# KiCad board Breakout_1999_Dodge_Dakota.kicad_pcb (continued)
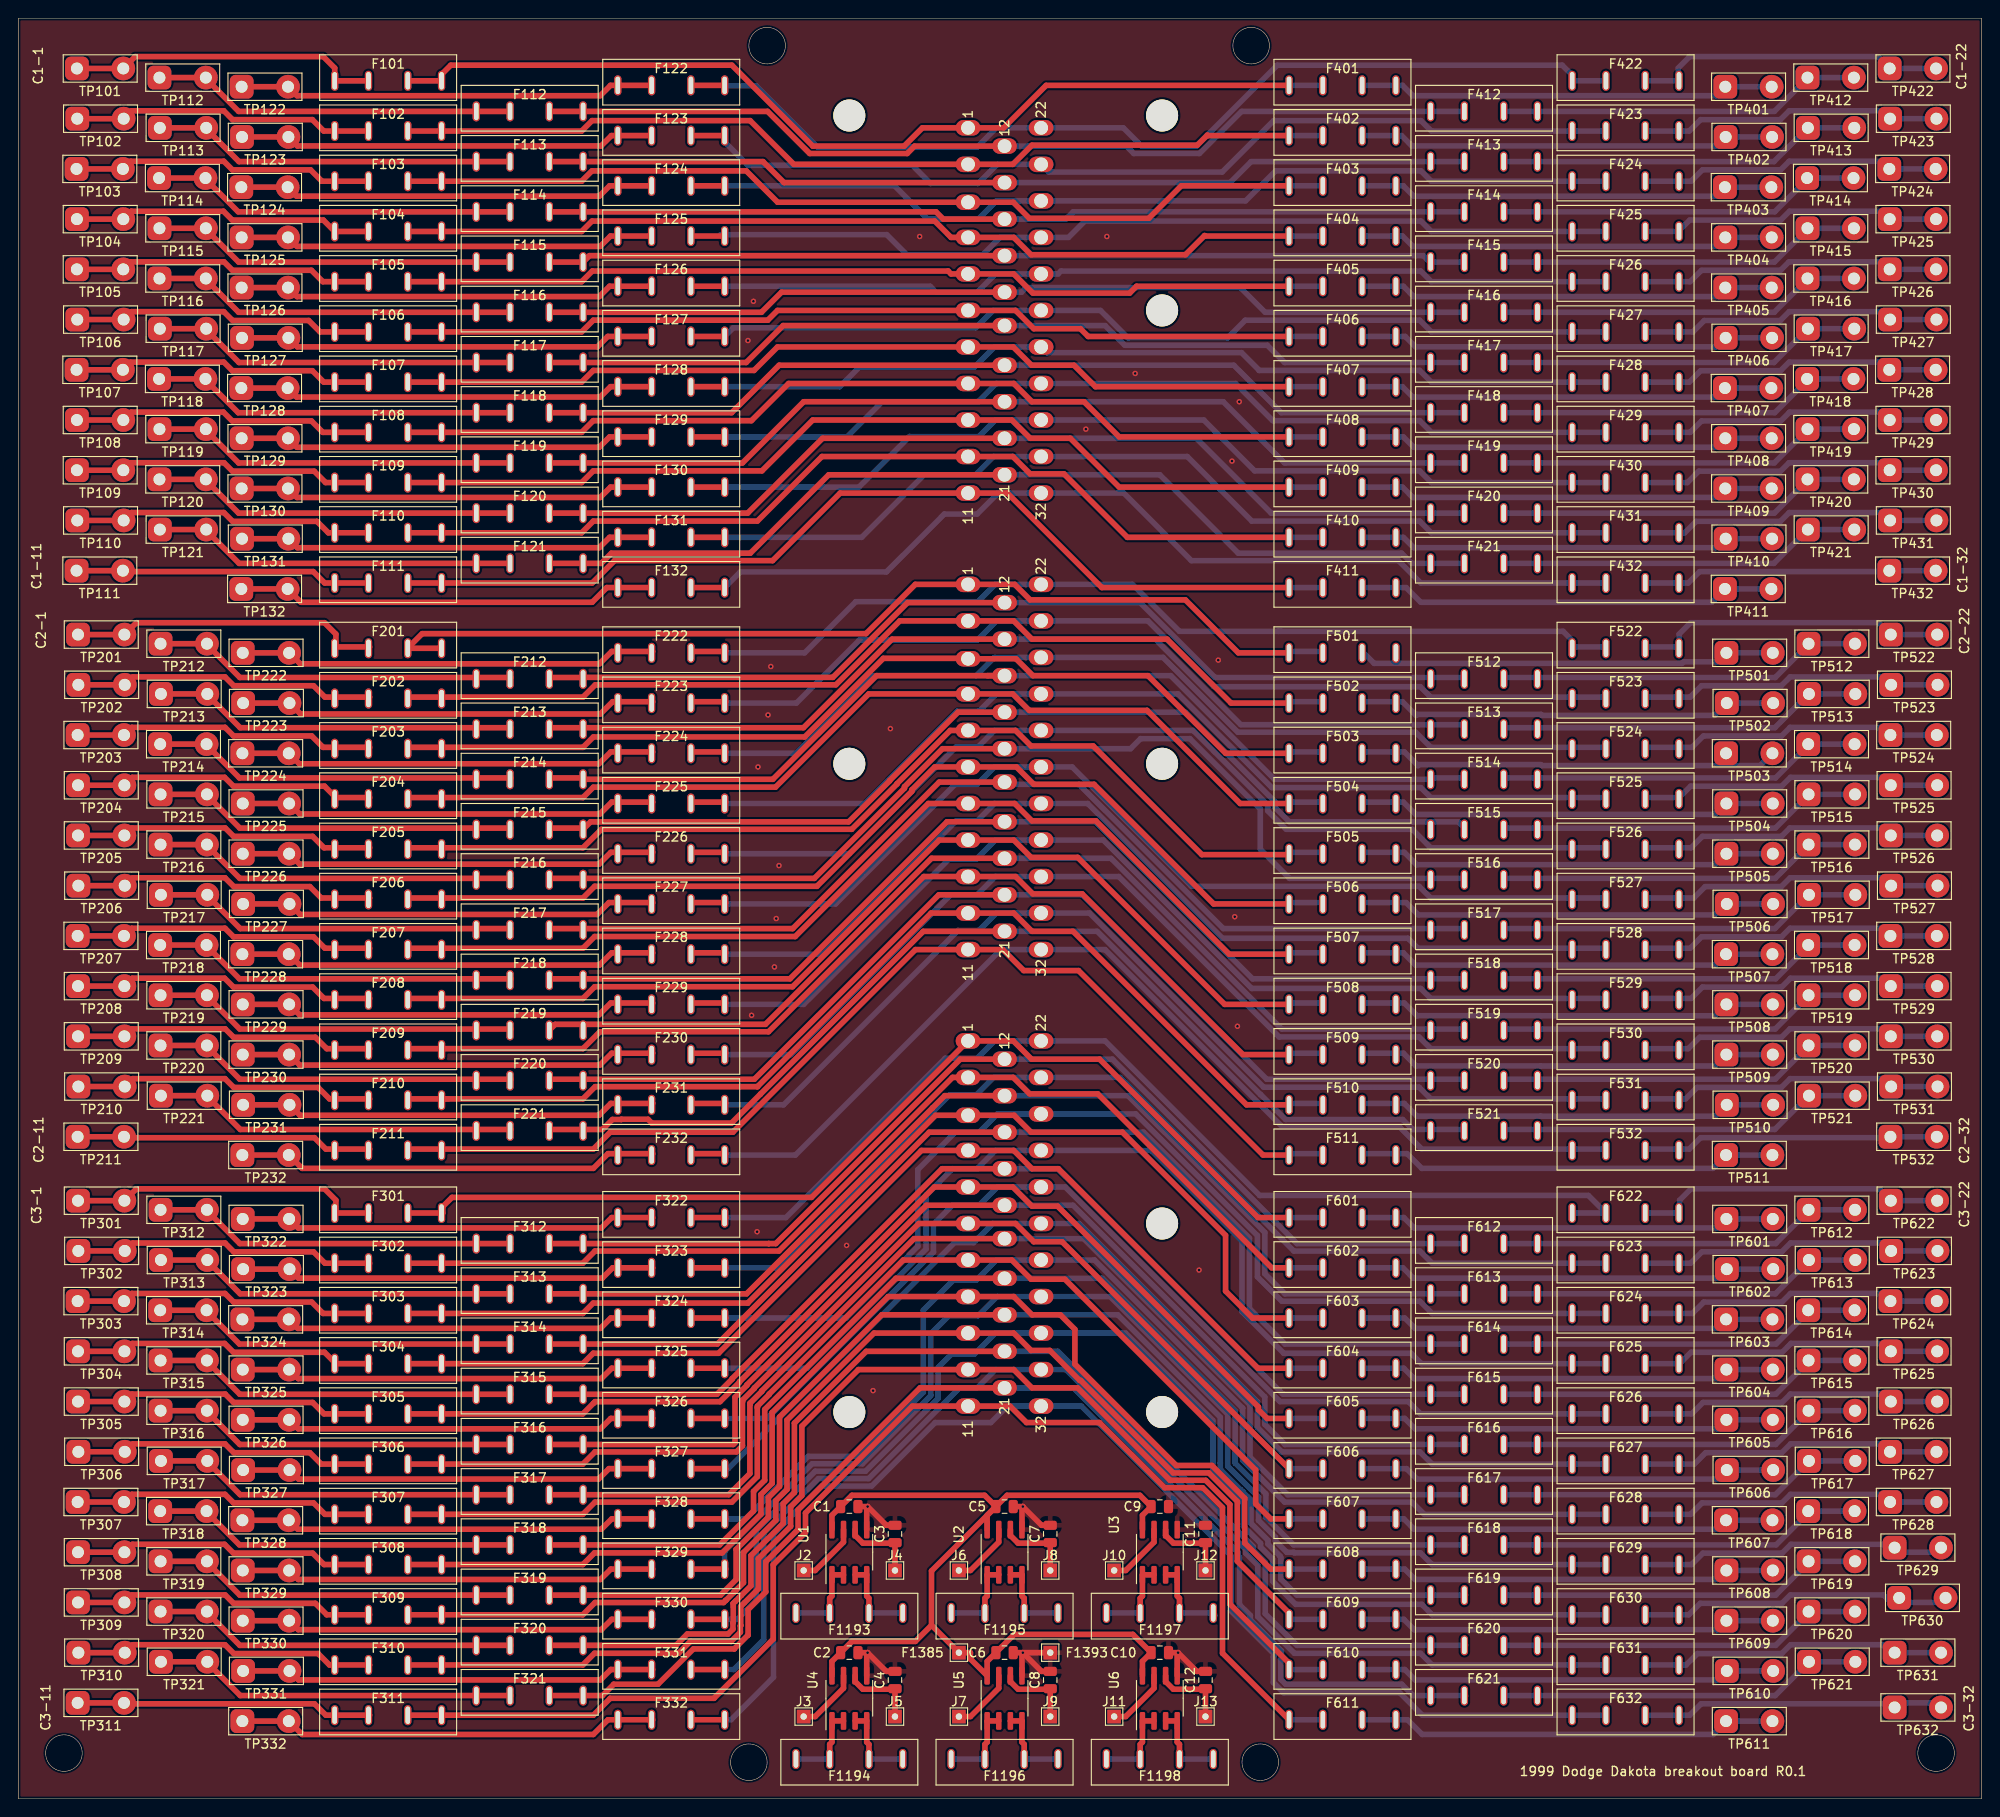
[diagram p0: board, top side]
## Routing (per net, layer and track width the routed paths; a pad name or vN(x,y) marks a point on that pad's centre or on a via; arc(x,y) is an arc through that point) (continued)
  Bottom w0.61: 158.42,60.8 F612.1 F612.1 140.02,60.8 119.82,81 J1.c3-12
Net-(F313-Pad1): length 39.9
  Top w0.61: 15.63,59 TP313.2 20.71,59 20.71,58.89 24.3,55.3 F313.1 F313.1 53.98,55.3
Net-(F313-Pad2): length 120.8
  Top w0.61: 58.28,55.3 F313.2 79.75,55.3 100.11,75.66 101.45,77 J1.c3-13
  Bottom w0.61: J1.c3-13 121.52,77 136.5,62.02 136.5,57.5 138.7,55.3 F613.1 F613.1 158.42,55.3
Net-(F314-Pad1): length 40
  Top w0.61: 15.55,53.5 TP314.2 20.63,53.5 20.63,53.39 24.22,49.8 F314.1 F314.1 53.98,49.8
Net-(F314-Pad2): length 123.8
  Top w0.61: J1.c3-14 99.75,73 76.55,49.8 F314.2 58.28,49.8
  Bottom w0.61: J1.c3-14 123.22,73 134.81,61.41 134.81,53.69 138.7,49.8 F614.1 ; 154.72,49.8 F614.1 158.42,49.8
Net-(F315-Pad1): length 40
  Top w0.61: 53.98,44.3 F315.1 F315.1 24.26,44.3 20.67,47.89 20.67,48 TP315.2 15.59,48
Net-(F315-Pad2): length 120.6
  Top w0.61: 58.28,44.3 F315.2 76.51,44.3 78.16,45.95 78.16,46 101.16,69 J1.c3-15
  Bottom w0.61: 158.42,44.3 F615.1 158.34,44.31 138.49,44.31 113.8,69 J1.c3-15
Net-(F316-Pad1): length 40
  Top w0.61: 15.59,42.5 TP316.2 20.67,42.5 20.67,42.39 24.26,38.8 F316.1 F316.1 53.98,38.8
Net-(F316-Pad2): length 126.6
  Top w0.61: 58.28,38.8 F316.2 78.3,38.8 78.49,38.99 78.49,43.98 79.79,45.28 79.79,45.33 99.46,65 J1.c3-16
  Bottom w0.61: J1.c3-16 115.5,65 136.5,44 136.5,41 138.7,38.8 F616.1 F616.1 158.5,38.8
Net-(F317-Pad1): length 39.9
  Top w0.61: 15.63,37 TP317.2 20.71,37 20.71,36.89 24.3,33.3 F317.1 F317.1 53.98,33.3
Net-(F317-Pad2): length 131.3
  Top w0.61: 58.28,33.3 F317.2 77.8,33.3 80.11,35.61 80.11,43.16 80.12,43.17 80.12,43.32 81.41,44.61 81.41,44.66 98.1,61.34 J1.c3-17
  Bottom w0.61: 158.5,33.3 F617.1 F617.1 139,33.3 134.87,37.43 134.87,43.12 116.65,61.34 J1.c3-17
Net-(F318-Pad1): length 40
  Top w0.61: 15.55,31.5 TP318.2 20.63,31.5 20.63,31.39 24.22,27.8 F318.1 F318.1 53.98,27.8
Net-(F318-Pad2): length 135
  Top w0.61: J1.c3-18 96.1,57 81.74,42.63 81.74,34.88 80.51,33.66 80.51,31.52 76.8,27.8 F318.2 58.28,27.8
  Bottom w0.61: 158.5,27.8 F618.1 F618.1 139.65,27.8 136.62,30.83 136.62,33.38 133.25,36.75 133.25,42.45 118.7,57 J1.c3-18
Net-(F319-Pad1): length 40
  Top w0.61: 53.98,22.3 F319.1 F319.1 24.26,22.3 20.67,25.89 20.67,26 TP319.2 15.59,26
Net-(F319-Pad2): length 139.8
  Top w0.61: 58.28,22.3 F319.2 76.9,22.3 78.6,24 78.6,27.31 82.14,30.84 82.14,32.98 83.36,34.21 83.36,41.81 94.55,53 J1.c3-19
  Bottom w0.61: 158.5,22.3 F619.1 F619.1 140.02,22.3 138.24,24.07 138.24,26.23 138.24,26.46 138.16,26.54 138.16,26.58 136.85,27.9 136.85,28.3 134.99,30.16 134.99,32.71 134.11,33.59 131.62,36.08 131.62,36.75 131.62,36.75 131.62,41.78 120.4,53 J1.c3-19
Net-(F320-Pad1): length 40
  Top w0.61: 53.98,16.8 F320.1 F320.1 24.26,16.8 20.67,20.39 20.67,20.5 TP320.2 15.59,20.5
Net-(F320-Pad2): length 139.7
  Top w0.61: J1.c3-20 92.85,49 84.99,41.14 84.99,33.54 83.76,32.31 83.76,30.17 80.22,26.63 80.22,23.33 79.17,22.28 78.53,21.63 78.29,21.39 78.29,19.31 78.26,19.28 78.26,18.57 77.73,18.04 73.26,18.04 72.02,16.8 F320.2 58.28,16.8
  Bottom w0.61: J1.c3-20 113.85,49 135.22,27.63 135.22,27.23 136.54,25.91 136.54,20.28 140.02,16.8 F620.1 F620.1 158.5,16.8
Net-(F321-Pad1): length 39.9
  Top w0.61: 15.63,15 TP321.2 20.71,15 20.71,14.9 24.31,11.3 F321.1 F321.1 53.98,11.3
Net-(F321-Pad2): length 138.4
  Top w0.61: 58.28,11.3 F321.2 63.97,11.3 65.21,12.54 70.06,12.54 73.93,16.42 78.4,16.42 79.92,17.94 79.92,20.72 81.85,22.65 81.85,25.96 85.39,29.49 85.39,31.64 98.75,45 J1.c3-21
  Bottom w0.61: J1.c3-21 115.55,45 133.59,26.95 133.59,26.55 133.72,26.43 133.72,21.26 134.91,20.07 134.91,19.6 138.31,16.2 138.31,15.3 138.24,15.23 138.24,13.07 138.77,12.54 151.49,12.54 152.73,11.3 F621.1 F621.1 158.5,11.3
Net-(F322-Pad1): length 45.8
  Top w0.61: 24.59,63.5 TP322.2 29.67,63.5 30.65,62.52 63.85,62.52 64.98,63.65 F322.1 F322.1 69.48,63.65
Net-(F322-Pad2): length 119.8
  Top w0.61: 73.78,63.65 F322.2 77.48,63.65
  Bottom w0.61: 173.92,64.15 F622.1 ; F622.1 F622.1 ; F622.1 171.93,66.07 135.93,66.07 119,83 J1.c3-22 106.9,83 105,81.1 101.5,81.1 84.05,63.65 F322.2
Net-(F323-Pad1): length 45.7
  Top w0.61: 69.48,58.15 F323.1 F323.1 65.08,58.15 63.95,57.02 30.69,57.02 29.71,58 TP323.2 24.63,58
Net-(F323-Pad2): length 117.3
  Top w0.61: 73.78,58.15 F323.2 77.48,58.15
  Bottom w0.61: F323.2 83.05,58.15 102,77.1 104.9,77.1 106.8,79 J1.c3-23 120.67,79 139.68,59.99 153.48,59.99 154.82,58.65 F623.1 F623.1 173.92,58.65
Net-(F324-Pad1): length 45.8
  Top w0.61: 69.48,52.65 F324.1 F324.1 64.88,52.65 63.75,51.52 30.61,51.52 29.63,52.5 TP324.2 24.55,52.5
Net-(F324-Pad2): length 126.1
  Top w0.61: 73.78,52.65 F324.2 77.48,52.65
  Bottom w0.61: F324.2 90.65,52.65 98.5,60.5 98.5,68.9 102.6,73 105.2,73 107.2,75 J1.c3-24 122.37,75 135.69,61.68 135.69,57.16 138.36,54.49 153.48,54.49 154.82,53.15 F624.1 F624.1 173.92,53.15
Net-(F325-Pad1): length 45.8
  Top w0.61: 69.48,47.15 F325.1 F325.1 64.98,47.15 63.85,46.02 30.65,46.02 29.67,47 TP325.2 24.59,47
Net-(F325-Pad2): length 127.7
  Top w0.61: 73.78,47.15 F325.2
  Bottom w0.61: F325.2 86.35,47.15 99.4,60.2 99.4,66.1 102.3,69 105,69 107,71 J1.c3-25 124.07,71 134,61.07 134,53.35 138.56,48.79 152.51,48.79 153.65,47.65 F625.1 F625.1 174,47.65
Net-(F326-Pad1): length 45.8
  Top w0.61: 69.48,41.65 F326.1 F326.1 64.88,41.65 63.75,40.52 30.65,40.52 29.67,41.5 TP326.2 24.59,41.5
Net-(F326-Pad2): length 122.9
  Top w0.61: 73.78,41.65 F326.2 77.48,41.65
  Bottom w0.61: F326.2 82,41.65 100.21,59.86 100.21,62.91 102.3,65 105.2,65 107.2,67 J1.c3-26 114.65,67 138.15,43.5 152.2,43.5 153.55,42.15 F626.1 F626.1 174,42.15
Net-(F327-Pad1): length 45.7
  Top w0.61: 69.48,36.15 F327.1 F327.1 64.68,36.15 63.55,35.02 30.69,35.02 29.71,36 TP327.2 24.63,36
Net-(F327-Pad2): length 123.9
  Top w0.61: 73.78,36.15 F327.2 77.48,36.15
  Bottom w0.61: 173.92,36.65 F627.1 F627.1 154.82,36.65 153.48,37.99 138.36,37.99 135.69,40.66 135.69,43.46 135.69,43.46 116.15,63 J1.c3-27 106.7,63 104.6,60.9 102.5,60.9 77.75,36.15 F327.2
Net-(F328-Pad1): length 45.8
  Top w0.61: 24.55,30.5 TP328.2 29.63,30.5 30.61,29.52 63.85,29.52 64.98,30.65 F328.1 F328.1 69.48,30.65
Net-(F328-Pad2): length 132.2
  Top w0.61: 77.48,30.65 F328.2 73.78,30.65
  Bottom w0.61: F328.2 79.65,30.65 86.5,37.5 92.1,37.5 99.1,44.5 99.1,53.5 102.4,56.8 104.9,56.8 107.1,59 J1.c3-28 117.85,59 134.06,42.79 134.06,37.09 136.08,35.08 137.43,33.72 137.43,33.72 138.66,32.49 152.61,32.49 153.95,31.15 F628.1 F628.1 173.92,31.15
Net-(F329-Pad1): length 45.8
  Top w0.61: 69.48,25.15 F329.1 F329.1 64.88,25.15 63.75,24.02 30.65,24.02 29.67,25 TP329.2 24.59,25
Net-(F329-Pad2): length 135
  Top w0.61: 73.78,25.15 F329.2 77.48,25.15
  Bottom w0.61: 173.92,25.65 F629.1 F629.1 154.82,25.65 153.54,26.93 139.74,26.93 139.68,26.99 138.91,26.99 137.66,28.24 137.66,28.64 135.8,30.49 135.8,33.05 132.44,36.42 132.44,42.11 119.55,55 J1.c3-29 107.2,55 105.1,52.9 101.9,52.9 99.91,50.91 99.91,44.16 92.44,36.69 86.94,36.69 77.35,27.1 F329.2
Net-(F330-Pad1): length 45.8
  Top w0.61: 24.59,19.5 TP330.2 29.67,19.5 30.65,18.52 63.85,18.52 64.98,19.65 F330.1 F330.1 69.48,19.65
Net-(F330-Pad2): length 139
  Top w0.61: 73.78,19.65 F330.2 77.48,19.65
  Bottom w0.61: 173.92,20.15 F630.1 F630.1 154.82,20.15 153.67,21.29 139.88,21.29 137.35,23.82 137.35,26.25 136.03,27.56 136.03,27.96 134.18,29.82 134.18,30.09 134.18,30.09 134.18,32.37 133.3,33.25 131.29,35.27 130.81,35.74 130.81,36.42 130.81,41.44 121.25,51 J1.c3-30 107,51 104.7,48.7 102.2,48.7 100.73,47.23 100.73,43.82 92.78,35.87 87.27,35.87 80.81,29.41 80.81,21.71 78.75,19.65 F330.2
Net-(F331-Pad1): length 45.7
  Top w0.61: 24.63,14 TP331.2 29.71,14 30.69,13.02 63.75,13.02 64.88,14.15 F331.1 F331.1 69.48,14.15
Net-(F331-Pad2): length 137.6
  Top w0.61: 73.78,14.15 F331.2 77.48,14.15
  Bottom w0.61: F331.2 78.35,14.15 81.63,17.43 81.63,29.08 87.61,35.06 93.11,35.06 103.05,45 105,45 107,47 J1.c3-31 114.7,47 134.41,27.29 134.41,26.89 135.73,25.57 135.73,19.94 137.43,18.24 137.43,18.24 139.74,15.93 153.54,15.93 154.82,14.65 F631.1 F631.1 173.92,14.65
Net-(F332-Pad1): length 46.2
  Top w0.61: 24.55,8.5 TP332.2 29.63,8.5 31.09,7.04 62.97,7.04 64.58,8.65 F332.1 F332.1 69.48,8.65
Net-(F332-Pad2): length 143.3
  Top w0.61: 77.48,8.65 F332.2 F332.2
  Bottom w0.61: 173.92,9.15 F632.1 F632.1 153.73,9.15 151.28,11.6 138.57,11.6 137.43,12.74 137.43,15.56 137.5,15.63 137.5,15.87 132.78,20.59 132.78,26.62 116.4,43 J1.c3-32 108.3,43 106.5,41.2 100.4,41.2 93.45,34.25 87.95,34.25 82.7,29 82.7,13.3 78.05,8.65 F332.2
Net-(F401-Pad2): length 45.8
  Bottom w0.61: 147.07,187.65 F401.2 F401.2 151.57,187.65 152.7,186.52 185.9,186.52 186.88,187.5 TP401.1 191.96,187.5
Net-(F402-Pad2): length 45.7
  Bottom w0.61: 191.92,182 TP402.1 186.84,182 185.86,181.02 152.6,181.02 151.47,182.15 F402.2 F402.2 147.07,182.15
Net-(F403-Pad2): length 45.8
  Bottom w0.61: 147.07,176.65 F403.2 F403.2 151.67,176.65 152.8,175.52 185.94,175.52 186.92,176.5 TP403.2 192,176.5
Net-(F404-Pad2): length 45.8
  Bottom w0.61: 147.07,171.15 F404.2 F404.2 151.57,171.15 152.7,170.02 185.9,170.02 186.88,171 TP404.1 191.96,171
Net-(F405-Pad2): length 45.8
  Bottom w0.61: 147.07,165.65 F405.2 F405.2 151.67,165.65 152.8,164.52 185.9,164.52 186.88,165.5 TP405.1 191.96,165.5
Net-(F406-Pad2): length 45.7
  Bottom w0.61: 147.07,160.15 F406.2 F406.2 151.87,160.15 153,159.02 185.86,159.02 186.84,160 TP406.1 191.92,160
Net-(F407-Pad2): length 45.8
  Bottom w0.61: 192,154.5 TP407.2 186.92,154.5 185.94,153.52 152.7,153.52 151.57,154.65 F407.2 F407.2 147.07,154.65
Net-(F408-Pad2): length 45.8
  Bottom w0.61: 147.07,149.15 F408.2 F408.2 151.67,149.15 152.8,148.02 185.9,148.02 186.88,149 TP408.1 191.96,149
Net-(F409-Pad2): length 45.8
  Bottom w0.61: 191.96,143.5 TP409.1 186.88,143.5 185.9,142.52 152.7,142.52 151.57,143.65 F409.2 F409.2 147.07,143.65
Net-(F410-Pad2): length 45.7
  Bottom w0.61: 147.07,138.15 F410.2 F410.2 151.67,138.15 152.8,137.02 185.86,137.02 186.84,138 TP410.1 191.92,138
Net-(F411-Pad2): length 46.2
  Bottom w0.61: 147.07,132.65 F411.2 F411.2 151.97,132.65 153.58,131.04 185.46,131.04 186.92,132.5 TP411.2 192,132.5
Net-(F412-Pad2): length 40
  Bottom w0.61: 162.57,184.8 F412.2 F412.2 192.29,184.8 195.88,188.39 195.88,188.5 TP412.1 200.96,188.5
Net-(F413-Pad2): length 39.9
  Bottom w0.61: 200.92,183 TP413.1 195.84,183 195.84,182.89 192.25,179.3 F413.2 F413.2 162.57,179.3
Net-(F414-Pad2): length 40
  Bottom w0.61: 201,177.5 TP414.2 195.92,177.5 195.92,177.39 192.33,173.8 F414.2 F414.2 162.57,173.8
Net-(F415-Pad2): length 40
  Bottom w0.61: 162.57,168.3 F415.2 F415.2 192.29,168.3 195.88,171.89 195.88,172 TP415.1 200.96,172
Net-(F416-Pad2): length 40
  Bottom w0.61: 162.57,162.8 F416.2 F416.2 192.29,162.8 195.88,166.39 195.88,166.5 TP416.1 200.96,166.5
Net-(F417-Pad2): length 39.9
  Bottom w0.61: 200.92,161 TP417.1 195.84,161 195.84,160.89 192.25,157.3 F417.2 F417.2 162.57,157.3
Net-(F418-Pad2): length 40
  Bottom w0.61: 201,155.5 TP418.2 195.92,155.5 195.92,155.39 192.33,151.8 F418.2 F418.2 162.57,151.8
Net-(F419-Pad2): length 40
  Bottom w0.61: 200.96,150 TP419.1 195.88,150 195.88,149.89 192.29,146.3 F419.2 F419.2 162.57,146.3
Net-(F420-Pad2): length 40
  Bottom w0.61: 162.57,140.8 F420.2 F420.2 192.29,140.8 195.88,144.39 195.88,144.5 TP420.1 200.96,144.5
Net-(F421-Pad2): length 39.9
  Bottom w0.61: 200.92,139 TP421.1 195.84,139 195.84,138.9 192.24,135.3 F421.2 F421.2 162.57,135.3
Net-(F422-Pad2): length 34.4
  Bottom w0.61: TP422.2 TP422.1 203.62,190.8 183.02,190.8 181.77,189.55 181.77,188.15 F422.2 178.07,188.15
Net-(F423-Pad2): length 33.2
  Bottom w0.61: 178.07,182.65 F423.2 F423.2 182.97,182.65 184.22,183.9 192.95,183.9 193.92,184.87 204.01,184.87 204.88,184 TP423.1 209.96,184
Net-(F424-Pad2): length 33.2
  Bottom w0.61: 210.04,178.5 TP424.2 204.96,178.5 204.12,179.34 193.91,179.34 192.97,178.4 184.42,178.4 183.17,177.15 F424.2 F424.2 178.07,177.15
Net-(F425-Pad2): length 33.2
  Bottom w0.61: 178.07,171.65 F425.2 181.77,171.65 183.02,172.9 192.99,172.9 193.96,173.87 204.06,173.87 TP425.1 TP425.2
Net-(F426-Pad2): length 33.2
  Bottom w0.61: 178.07,166.15 F426.2 F426.2 183.07,166.15 184.32,167.4 192.97,167.4 193.89,168.32 204.1,168.32 TP426.1 TP426.2
Net-(F427-Pad2): length 33.2
  Bottom w0.61: 178.07,160.65 F427.2 F427.2 183.37,160.65 184.62,161.9 192.95,161.9 193.92,162.87 204.01,162.87 204.88,162 TP427.1 209.96,162
Net-(F428-Pad2): length 33.2
  Bottom w0.61: 210.04,156.5 TP428.2 204.96,156.5 204.12,157.34 193.91,157.34 192.97,156.4 184.22,156.4 182.97,155.15 F428.2 F428.2 178.07,155.15
Net-(F429-Pad2): length 33.2
  Bottom w0.61: 178.07,149.65 F429.2 F429.2 183.07,149.65 184.32,150.9 192.99,150.9 193.96,151.87 204.06,151.87 TP429.1 TP429.2
Net-(F430-Pad2): length 33.2
  Bottom w0.61: TP430.2 TP430.1 204.1,146.32 193.89,146.32 192.97,145.4 184.02,145.4 182.77,144.15 F430.2 F430.2 178.07,144.15
Net-(F431-Pad2): length 33.2
  Bottom w0.61: 209.96,140 TP431.1 204.88,140 204.01,140.87 193.92,140.87 192.95,139.9 183.72,139.9 182.47,138.65 F431.2 F431.2 178.07,138.65
Net-(F432-Pad2): length 32.5
  Bottom w0.61: 210.04,134.5 TP432.2 204.96,134.5 204.86,134.4 184.12,134.4 182.87,133.15 F432.2 F432.2 178.07,133.15
Net-(F501-Pad2): length 45.9
  Bottom w0.61: 147.17,125.65 148.47,124.35 182.18,124.35 182.35,124.52 186,124.52 186.98,125.5 TP501.1 192.06,125.5
Net-(F502-Pad2): length 46.1
  Bottom w0.61: 147.17,120.15 151.57,120.15 153.07,118.65 153.18,118.76 166.73,118.76 166.83,118.65 185.73,118.65 TP502.1 192.02,120
Net-(F503-Pad2): length 46.2
  Bottom w0.61: 147.17,114.65 151.77,114.65 153.27,113.15 153.38,113.26 166.73,113.26 166.83,113.15 190.73,113.15 TP503.2 192.1,114.5
Net-(F504-Pad2): length 45.9
  Bottom w0.61: 192.06,109 TP504.1 186.98,109 185.78,107.8 153.02,107.8 151.67,109.15 147.17,109.15
Net-(F505-Pad2): length 45.9
  Bottom w0.61: 147.17,103.65 151.77,103.65 153.12,102.3 185.78,102.3 186.98,103.5 TP505.1 192.06,103.5
Net-(F506-Pad2): length 45.9
  Bottom w0.61: 192.02,98 TP506.1 186.94,98 185.74,96.8 153.32,96.8 151.97,98.15 147.17,98.15
Net-(F507-Pad2): length 46
  Bottom w0.61: 192.1,92.5 TP507.2 187.02,92.5 185.82,91.3 153.02,91.3 151.67,92.65 147.17,92.65
Net-(F508-Pad2): length 46
  Bottom w0.61: 147.17,87.15 151.77,87.15 153.17,85.75 153.18,85.76 166.73,85.76 166.73,85.75 185.79,85.75 TP508.1 192.06,87
Net-(F509-Pad2): length 46
  Bottom w0.61: 192.06,81.5 TP509.1 185.79,80.25 166.73,80.25 166.73,80.26 153.08,80.26 153.07,80.25 151.67,81.65 147.17,81.65
Net-(F510-Pad2): length 46
  Bottom w0.61: 192.02,76 TP510.1 185.83,74.75 166.73,74.75 166.73,74.76 153.18,74.76 153.17,74.75 151.77,76.15 147.17,76.15
Net-(F511-Pad2): length 46.2
  Bottom w0.61: 147.17,70.65 152.07,70.65 153.68,69.04 185.56,69.04 187.02,70.5 TP511.2 192.1,70.5
Net-(F512-Pad2): length 40
  Bottom w0.61: 201.06,126.5 TP512.1 195.98,126.5 195.98,126.39 192.39,122.8 162.67,122.8
Net-(F513-Pad2): length 39.9
  Bottom w0.61: 201.02,121 TP513.1 195.94,121 195.94,120.89 192.35,117.3 162.67,117.3
Net-(F514-Pad2): length 40
  Bottom w0.61: 162.67,111.8 192.43,111.8 196.02,115.39 196.02,115.5 TP514.2 201.1,115.5
Net-(F515-Pad2): length 40
  Bottom w0.61: 201.06,110 TP515.1 195.98,110 195.98,109.89 192.39,106.3 162.67,106.3
Net-(F516-Pad2): length 40
  Bottom w0.61: 201.06,104.5 TP516.1 195.98,104.5 195.98,104.39 192.39,100.8 162.67,100.8
Net-(F517-Pad2): length 39.9
  Bottom w0.61: 162.67,95.3 192.35,95.3 195.94,98.89 195.94,99 TP517.1 201.02,99
Net-(F518-Pad2): length 40
  Bottom w0.61: 162.67,89.8 192.43,89.8 196.02,93.39 196.02,93.5 TP518.2 201.1,93.5
Net-(F519-Pad2): length 40
  Bottom w0.61: 201.06,88 TP519.1 195.98,88 195.98,87.89 192.39,84.3 162.67,84.3
Net-(F520-Pad2): length 40
  Bottom w0.61: 162.67,78.8 192.39,78.8 195.98,82.39 195.98,82.5 TP520.1 201.06,82.5
Net-(F521-Pad2): length 39.9
  Bottom w0.61: 201.02,77 TP521.1 195.94,77 195.94,76.9 192.34,73.3 162.67,73.3
Net-(F522-Pad2): length 34.4
  Bottom w0.61: 210.1,127.5 TP522.1 205.02,127.5 203.72,128.8 183.12,128.8 181.87,127.55 181.87,126.15 178.17,126.15
Net-(F523-Pad2): length 33.2
  Bottom w0.61: 210.06,122 TP523.1 204.98,122 204.12,122.86 194.02,122.86 193.05,121.9 184.32,121.9 183.07,120.65 178.17,120.65
Net-(F524-Pad2): length 33.2
  Bottom w0.61: 178.17,115.15 183.27,115.15 184.52,116.4 193.07,116.4 194.01,117.34 204.22,117.34 205.06,116.5 TP524.2 210.14,116.5
Net-(F525-Pad2): length 33.2
  Bottom w0.61: 210.1,111 TP525.1 205.02,111 204.15,111.86 194.06,111.86 193.09,110.9 183.12,110.9 181.87,109.65 178.17,109.65
Net-(F526-Pad2): length 33.2
  Bottom w0.61: 210.1,105.5 TP526.1 205.02,105.5 204.2,106.32 193.99,106.32 193.07,105.4 184.42,105.4 183.17,104.15 178.17,104.15
Net-(F527-Pad2): length 33.2
  Bottom w0.61: 178.17,98.65 183.47,98.65 184.72,99.9 193.05,99.9 194.02,100.87 204.12,100.87 204.98,100 TP527.1 210.06,100
Net-(F528-Pad2): length 33.2
  Bottom w0.61: 210.14,94.5 TP528.2 205.06,94.5 204.22,95.34 194.01,95.34 193.07,94.4 184.32,94.4 183.07,93.15 178.17,93.15
Net-(F529-Pad2): length 33.2
  Bottom w0.61: 210.1,89 TP529.1 205.02,89 204.15,89.87 194.06,89.87 193.09,88.9 184.42,88.9 183.17,87.65 178.17,87.65
Net-(F530-Pad2): length 33.2
  Bottom w0.61: 210.1,83.5 TP530.1 205.02,83.5 204.2,84.32 193.99,84.32 193.07,83.4 184.12,83.4 182.87,82.15 178.17,82.15
Net-(F531-Pad2): length 33.2
  Bottom w0.61: 210.06,78 TP531.1 204.98,78 204.12,78.87 194.02,78.87 193.05,77.9 183.82,77.9 182.57,76.65 178.17,76.65
Net-(F532-Pad2): length 32.5
  Bottom w0.61: 210.14,72.5 TP532.2 205.06,72.5 204.96,72.4 184.22,72.4 182.97,71.15 178.17,71.15
Net-(F601-Pad2): length 45.8
  Bottom w0.61: 192.11,63.5 TP601.1 187.03,63.5 186.05,62.52 152.85,62.52 151.72,63.65 F601.2 147.22,63.65
Net-(F602-Pad2): length 45.7
  Bottom w0.61: 147.22,58.15 F602.2 151.62,58.15 152.75,57.02 186.01,57.02 186.99,58 TP602.1 192.07,58
Net-(F603-Pad2): length 45.8
  Bottom w0.61: 192.15,52.5 TP603.2 187.07,52.5 186.09,51.52 152.95,51.52 151.82,52.65 F603.2 147.22,52.65
Net-(F604-Pad2): length 45.8
  Bottom w0.61: 192.11,47 TP604.1 187.03,47 186.05,46.02 152.85,46.02 151.72,47.15 F604.2 147.22,47.15
Net-(F605-Pad2): length 45.8
  Bottom w0.61: 147.22,41.65 F605.2 151.82,41.65 152.95,40.52 186.05,40.52 187.03,41.5 TP605.1 192.11,41.5
Net-(F606-Pad2): length 45.7
  Bottom w0.61: 192.07,36 TP606.1 186.99,36 186.01,35.02 153.15,35.02 152.02,36.15 F606.2 147.22,36.15
Net-(F607-Pad2): length 45.8
  Bottom w0.61: 147.22,30.65 F607.2 151.72,30.65 152.85,29.52 186.09,29.52 187.07,30.5 TP607.2 192.15,30.5
Net-(F608-Pad2): length 45.8
  Bottom w0.61: 192.11,25 TP608.1 187.03,25 186.05,24.02 152.95,24.02 151.82,25.15 F608.2 147.22,25.15
Net-(F609-Pad2): length 45.8
  Bottom w0.61: 192.11,19.5 TP609.1 187.03,19.5 186.05,18.52 152.85,18.52 151.72,19.65 F609.2 147.22,19.65
Net-(F610-Pad2): length 45.7
  Bottom w0.61: 192.07,14 TP610.1 186.99,14 186.01,13.02 152.95,13.02 151.82,14.15 F610.2 147.22,14.15
Net-(F611-Pad2): length 46.2
  Bottom w0.61: 147.22,8.65 F611.2 152.12,8.65 153.73,7.04 185.61,7.04 187.07,8.5 TP611.2 192.15,8.5
Net-(F612-Pad2): length 40
  Bottom w0.61: 201.11,64.5 TP612.1 196.03,64.5 196.03,64.39 192.44,60.8 F612.2 162.72,60.8
Net-(F613-Pad2): length 39.9
  Bottom w0.61: 162.72,55.3 F613.2 192.4,55.3 195.99,58.89 195.99,59 TP613.1 201.07,59
Net-(F614-Pad2): length 40
  Bottom w0.61: 162.72,49.8 F614.2 192.48,49.8 196.07,53.39 196.07,53.5 TP614.2 201.15,53.5
Net-(F615-Pad2): length 40
  Bottom w0.61: 162.72,44.3 F615.2 192.44,44.3 196.03,47.89 196.03,48 TP615.1 201.11,48
Net-(F616-Pad2): length 40
  Bottom w0.61: 162.72,38.8 F616.2 192.44,38.8 196.03,42.39 196.03,42.5 TP616.1 201.11,42.5
Net-(F617-Pad2): length 39.9
  Bottom w0.61: 162.72,33.3 F617.2 192.4,33.3 195.99,36.89 195.99,37 TP617.1 201.07,37
Net-(F618-Pad2): length 40
  Bottom w0.61: 162.72,27.8 F618.2 192.48,27.8 196.07,31.39 196.07,31.5 TP618.2 201.15,31.5
Net-(F619-Pad2): length 40
  Bottom w0.61: 162.72,22.3 F619.2 192.44,22.3 196.03,25.89 196.03,26 TP619.1 201.11,26
Net-(F620-Pad2): length 40
  Bottom w0.61: 201.11,20.5 TP620.1 196.03,20.5 196.03,20.39 192.44,16.8 F620.2 162.72,16.8
Net-(F621-Pad2): length 39.9
  Bottom w0.61: 201.07,15 TP621.1 195.99,15 195.99,14.9 192.39,11.3 F621.2 162.72,11.3
Net-(F622-Pad2): length 34.4
  Bottom w0.61: 178.22,64.15 F622.2 181.92,64.15 181.92,65.55 183.17,66.8 203.77,66.8 205.07,65.5 TP622.2 210.15,65.5
Net-(F623-Pad2): length 33.2
  Bottom w0.61: 210.11,60 TP623.1 205.03,60 204.17,60.87 194.07,60.87 193.1,59.9 184.37,59.9 183.12,58.65 F623.2 178.22,58.65
Net-(F624-Pad2): length 33.2
  Bottom w0.61: 178.22,53.15 F624.2 183.32,53.15 184.57,54.4 193.12,54.4 194.06,55.34 204.27,55.34 205.11,54.5 TP624.2 210.19,54.5
Net-(F625-Pad2): length 33.2
  Bottom w0.61: 210.15,49 TP625.2 205.07,49 204.2,49.87 194.11,49.87 193.14,48.9 183.17,48.9 181.92,47.65 F625.2 178.22,47.65
Net-(F626-Pad2): length 33.2
  Bottom w0.61: 178.22,42.15 F626.2 183.22,42.15 184.47,43.4 193.12,43.4 194.04,44.32 204.25,44.32 205.07,43.5 TP626.2 210.15,43.5
Net-(F627-Pad2): length 33.2
  Bottom w0.61: 210.11,38 TP627.2 205.03,38 204.17,38.87 194.07,38.87 193.1,37.9 184.77,37.9 183.52,36.65 F627.2 178.22,36.65
Net-(F628-Pad2): length 33.2
  Bottom w0.61: 178.22,31.15 F628.2 183.12,31.15 184.37,32.4 193.12,32.4 194.06,33.34 204.27,33.34 205.11,32.5 TP628.2 210.19,32.5
Net-(F629-Pad2): length 33.2
  Bottom w0.61: 178.22,25.65 F629.2 183.22,25.65 184.47,26.9 193.14,26.9 194.11,27.87 204.2,27.87 205.07,27 210.15,27
Net-(F630-Pad2): length 33.2
  Bottom w0.61: 210.15,21.5 205.07,21.5 204.25,22.32 194.04,22.32 193.12,21.4 184.17,21.4 182.92,20.15 F630.2 178.22,20.15
Net-(F631-Pad2): length 33.2
  Bottom w0.61: 210.11,16 TP631.1 205.03,16 204.17,16.87 194.07,16.87 193.1,15.9 183.87,15.9 182.62,14.65 F631.2 178.22,14.65
Net-(F632-Pad2): length 32.5
  Bottom w0.61: 178.22,9.15 F632.2 183.02,9.15 184.27,10.4 205.01,10.4 205.11,10.5 210.19,10.5
Net-(F1193-Pad1): length 9.2
  Top w0.61: U1.3 U1.4 92.91,22.21 93.15,21.96 F1193.1
  Bottom w0.61: F1193.1 F1193.1
Net-(F1193-Pad2): length 9.2
  Top w0.61: U1.2 U1.1 89.09,22.21 88.85,21.96 F1193.2
  Bottom w0.61: F1193.2 F1193.2
Net-(F1194-Pad1): length 9.2
  Top w0.61: F1194.1 93.15,5.96 92.91,6.21 U4.4 U4.3
  Bottom w0.61: F1194.1 F1194.1
Net-(F1194-Pad2): length 9.2
  Top w0.61: F1194.2 88.85,5.96 89.09,6.21 U4.1 U4.2
  Bottom w0.61: F1194.2 F1194.2
Net-(F1195-Pad1): length 9.2
  Top w0.61: U2.3 U2.4 109.91,22.21 110.15,21.96 F1195.1
  Bottom w0.61: F1195.1 F1195.1
Net-(F1195-Pad2): length 9.2
  Top w0.61: U2.2 U2.1 106.09,22.21 105.85,21.96 F1195.2
  Bottom w0.61: F1195.2 F1195.2
Net-(F1196-Pad1): length 9.2
  Top w0.61: F1196.1 110.15,5.96 109.91,6.21 U5.4 U5.3
  Bottom w0.61: F1196.1 F1196.1
Net-(F1196-Pad2): length 9.2
  Top w0.61: U5.2 U5.1 106.09,6.21 105.85,5.96 F1196.2
  Bottom w0.61: F1196.2 F1196.2
Net-(F1197-Pad1): length 10
  Top w0.61: U3.3 U3.4 126.91,22.21 127.15,21.96 F1197.1
  Bottom w0.61: F1197.1 130.65,20.35 131,20 131,20.2 F1197.1
Net-(F1197-Pad2): length 9.2
  Top w0.61: F1197.2 122.85,21.96 123.09,22.21 U3.1 U3.2
  Bottom w0.61: F1197.2 F1197.2
Net-(F1198-Pad1): length 9.2
  Top w0.61: U6.3 U6.4 126.91,6.21 127.15,5.96 F1198.1
  Bottom w0.61: F1198.1 F1198.1
Net-(F1198-Pad2): length 9.2
  Top w0.61: U6.2 U6.1 123.09,6.21 122.85,5.96 F1198.2
  Bottom w0.61: F1198.2 F1198.2
Net-(J2-Pad1): length 7
  Top w0.61: J2.1 87.26,25 90.37,28.1 U1.7
Net-(J3-Pad1): length 7
  Top w0.61: U4.7 90.37,12.1 87.26,9 J3.1
Net-(J6-Pad1): length 7
  Top w0.61: U2.7 107.37,28.1 104.26,25 J6.1
Net-(J7-Pad1): length 7
  Top w0.61: J7.1 104.26,9 107.37,12.1 U5.7
Net-(J10-Pad1): length 7
  Top w0.61: J10.1 121.26,25 124.37,28.1 U3.7
Net-(J11-Pad1): length 7
  Top w0.61: J11.1 121.26,9 124.37,12.1 U6.7

## Copper pours and planes (outline as drawn; the poured copper is in the pictures)
/GND on Top, Bottom: 220,-5 -5,-5 -5,200 220,200

## Text on the board
B.Silkscreen: C3-11 | C2-1 | C2-11 | C1-1 | C1-11 | C3-1 | C1-22 | C1-32 | C2-32 | C3-22 | C2-22 | C3-32
F.Silkscreen: 1999 Dodge Dakota breakout board R0.1 | C1-11 | C3-1 | C1-1 | C2-11 | C2-1 | C3-11 | C1-22 | C1-32 | C2-32 | C3-22 | C2-22 | C3-32
